# KiCad board noraneko42c.kicad_pcb (continued)
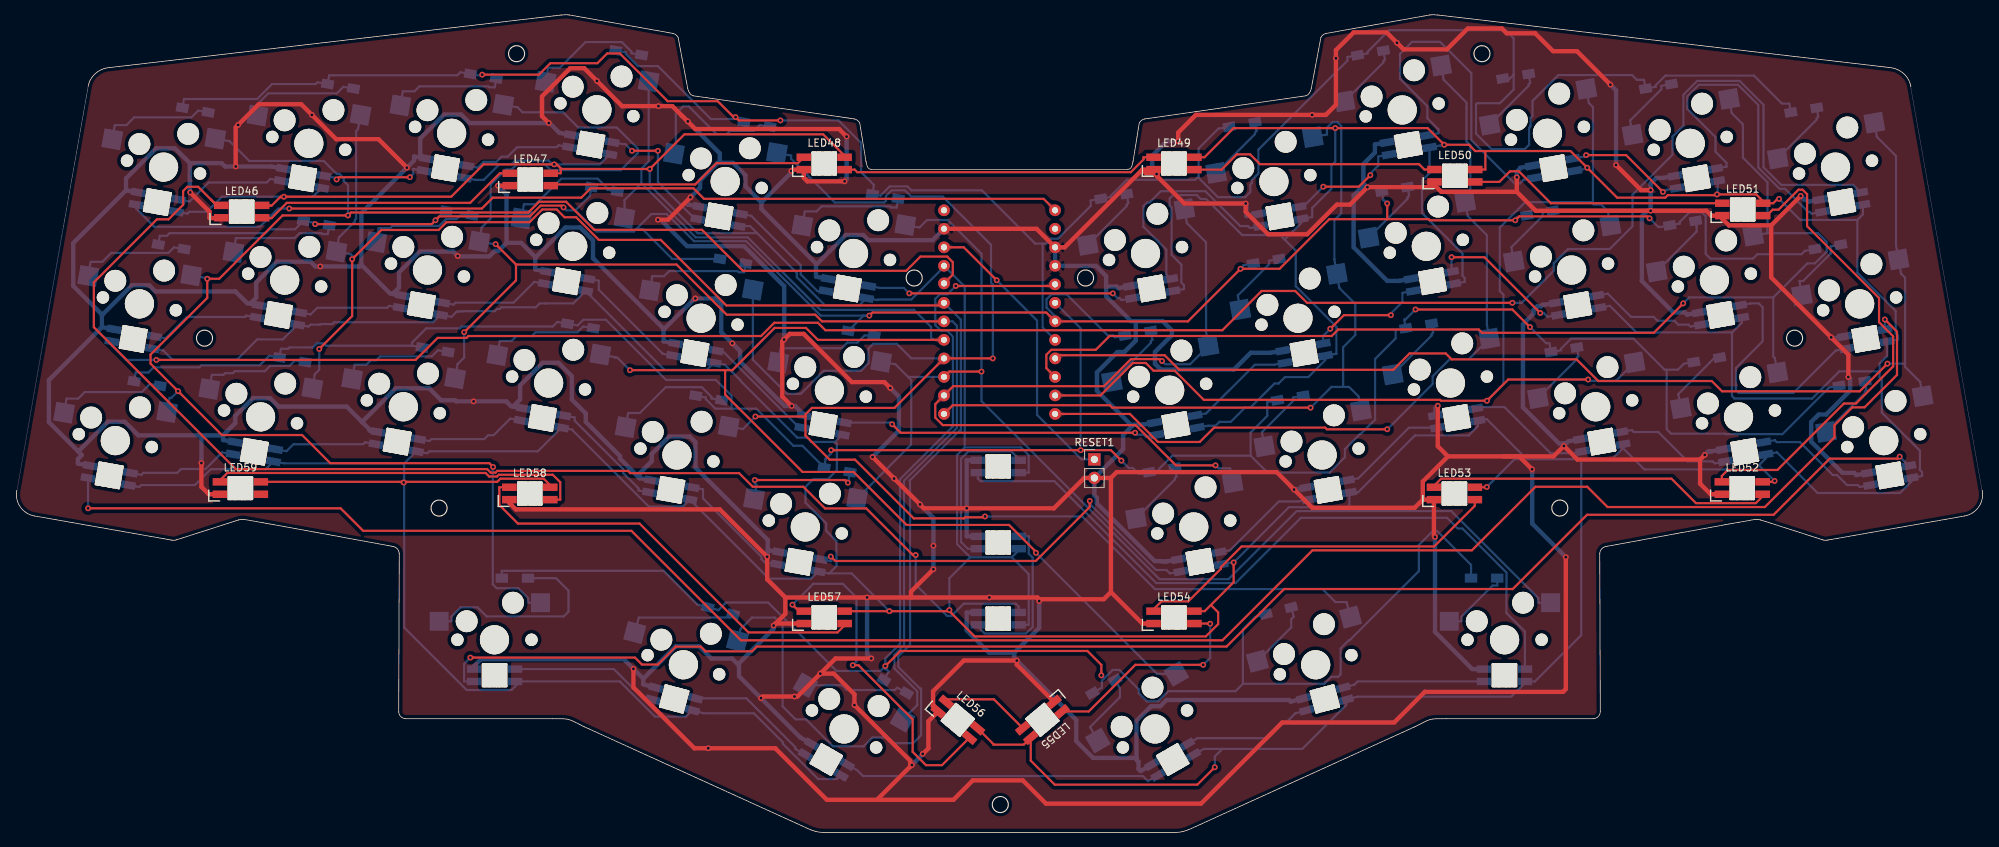
[diagram p0: board, top side]
## Routing (per net, layer and track width the routed paths; a pad name or vN(x,y) marks a point on that pad's centre or on a via; arc(x,y) is an arc through that point) (continued)
Net-(LED26-Pad2): length 14.3
  Bottom w0.3: LED27.4 48.06,53.53 47.79,53.26 38.25,53.26 37.3,52.31 LED26.2
Net-(LED27-Pad2): length 15.4
  Bottom w0.3: LED28.4 67.97,56.77 65.69,54.49 64.94,54.49 64.41,53.96 57.16,53.96 56.9,53.69 LED27.2
Net-(LED28-Pad2): length 16.7
  Bottom w0.3: 75.3,57.2 76.81,56.94 76.81,56.49 83.48,49.82 83.48,49.3 85.58,47.2 85.58,46.91 LED29.4
Net-(LED29-Pad2): length 16.9
  Bottom w0.3: 92.91,47.34 94.42,47.08 94.42,45.83 102.44,37.81 102.44,37.5 102.89,37.04 103.17,37.04 103.17,37.04 LED30.4
Net-(LED30-Pad2): length 58.8
  Top w0.3: v1(147.46,45.48) 147.46,44.65 140.06,37.24 112.54,37.24 v1(111.94,37.85)
  Bottom w0.3: LED30.2 112.01,37.21 112.01,37.78 v1(111.94,37.85) ; LED31.4 158.45,35.53 157.97,36.01 156.53,36.01 147.46,45.08 v1(147.46,45.48)
Net-(LED31-Pad2): length 15.2
  Bottom w0.3: LED32.4 176.04,45.4 173.39,45.4 166.7,38.71 LED31.2
Net-(LED32-Pad2): length 15.3
  Bottom w0.3: LED32.2 184.29,48.58 191.24,55.53 LED33.4
Net-(LED33-Pad2): length 17.4
  Bottom w0.3: LED33.2 201.46,58.37 204.32,58.37 210.66,52.02 213.56,52.02 LED34.4
Net-(LED34-Pad2): length 16.3
  Bottom w0.3: LED35.4 233.16,50.63 232.89,50.9 229.47,50.9 225.43,54.93 222.08,54.93 221.81,55.2 LED34.2
Net-(LED35-Pad2): length 17.4
  Bottom w0.3: LED35.2 241.41,53.81 241.68,53.55 244.85,53.55 249.38,49.02 249.95,49.02 251.31,47.66 252.8,47.66 253.06,47.39 LED36.4
Net-(LED36-Pad2): length 215.6
  Top w0.3: v1(62.51,23.99) 85.09,23.99 86.04,23.03 88.23,23.03 90.69,25.5 94.1,25.5 94.75,24.85 101.13,24.85 101.78,25.5 166.22,25.5 174.12,33.39 205.47,33.39 215.67,43.59 241.25,43.59 248.95,51.28 258.26,51.28 v1(258.54,51.56)
  Bottom w0.3: LED36.2 v1(258.54,51.56) ; LED37.4 61.65,20.71 61.65,23.13 v1(62.51,23.99)
Net-(LED37-Pad2): length 20.5
  Bottom w0.3: LED38.4 85.97,18.63 82.19,22.41 LED37.2
Net-(LED38-Pad2): length 18.3
  Bottom w0.3: LED38.2 100.36,18.4 107.07,11.69 107.07,11.46 LED39.4
Net-(LED39-Pad2): length 43.7
  Bottom w0.3: LED39.2 115.58,8.51 116.36,7.74 154.74,7.74 155.44,7.04 LED40.4
Net-(LED40-Pad2): length 18.1
  Bottom w0.3: LED41.4 175.66,16.34 174.31,15 173.57,15 171.5,12.93 162.24,12.93 LED40.2
Net-(LED41-Pad2): length 19.6
  Bottom w0.3: LED42.4 184.19,20.71 183.75,20.27 LED41.2
Net-(LED42-Pad2): length 100.4
  Bottom w0.3: LED42.2 207.13,27.56 204.61,30.09 204.61,35.66 198.56,41.7 197.92,41.7 196.46,43.17 176.42,43.17 167.46,34.21 156.58,34.21 142.59,48.21 142.17,48.21 142.15,48.19 132.47,48.19 132.11,48.55 LED43.4
Net-(LED43-Pad2): length 22.9
  Bottom w0.3: 137.71,51.27 136.68,52.3 130.84,52.3 129.8,51.26 129.8,39.85 130.73,38.92 LED44.4
Net-(LED44-Pad2): length 22.3
  Bottom w0.3: 132.11,28.23 133.04,27.3 138.73,27.3 139.64,28.2 139.64,37.7 139.09,38.25 139.09,40.62 LED44.2
Net-(LED45-Pad2): length 179.2
  Top w0.3: 26.97,86.79 25.17,88.59 23.69,88.59 23.11,88.01 23.11,86.11 21.12,84.12 19.52,84.12 10.87,75.46 10.87,69.31 30.34,49.85 64.82,49.85 65.31,49.36 65.95,49.36 66.19,49.6 84.14,49.6 84.45,49.29 99.37,49.29 101.24,47.43 108.17,47.43 111.15,44.45 116.81,44.45 123.21,38.06 v1(123.59,38.06) ; 26.97,86.79 27.77,85.99 ; 26.97,86.79 27.72,86.03
  Bottom w0.3: v1(123.59,38.06) 123.59,34.01 127.89,29.71 128.5,29.71 130.18,31.38 137.32,31.38 137.71,30.99 LED45.2
Net-(LED46-Pad2): length 37.7
  Top w0.3: LED47.4 66.55,90.44 62.49,86.38 37.33,86.38 35.24,84.29 35.12,84.29 ; 33.86,84.29 35.12,84.29 ; 35.12,84.29 33.99,84.29
Net-(LED47-Pad2): length 36.1
  Top w0.3: LED48.4 107.43,91.83 96.26,91.83 93.34,88.9 73.7,88.9
Net-(LED48-Pad2): length 43.5
  Top w0.3: LED48.2 115.22,90.94 115.58,90.58 153.08,90.58 154.83,92.32 154.83,92.64 LED49.4
Net-(LED49-Pad2): length 34.7
  Top w0.3: LED49.2 165.54,90.94 167.64,93.03 169.45,93.03 170.8,91.68 192.62,91.68 193.35,90.95 LED50.4
Net-(LED50-Pad2): length 36.3
  Top w0.3: LED51.4 210.69,86.33 206.3,90.71 205.1,90.71 203.64,89.25 LED50.2
Net-(LED51-Pad2): length 66.3
  Top w0.3: LED52.4 234.15,48.91 234.97,49.73 241.77,49.73 250.9,58.85 252.55,58.85 257.64,63.94 257.64,68.07 255.71,70 255.71,73.31 245.84,83.18 245.84,87.57 245.22,88.18 244.67,88.18 241.92,85.44 241.11,85.44 240.3,84.63
Net-(LED52-Pad2): length 47.3
  Top w0.3: 239.75,46.12 238.8,45.18 230.6,45.18 227.24,48.53 195.65,48.53 194.67,47.55
Net-(LED53-Pad2): length 50.9
  Top w0.3: LED53.2 200.27,44.81 194.69,39.24 168.29,39.24 165.45,36.4 165.45,36.18 160.97,31.7 157.29,31.7 156.21,30.61
Net-(LED54-Pad2): length 30.2
  Top w0.3: LED55.4 147.32,16.6 153.72,23 v1(163.02,23) ; v1(163.98,28.64) 163.96,28.66 LED54.2
  Bottom w0.3: v1(163.02,23) 163.98,23.96 v1(163.98,28.64)
Net-(LED55-Pad2): length 12.3
  Top w0.3: LED55.2 134.31,18.26 128.07,18.26 127.77,17.96
Net-(LED56-Pad2): length 47.4
  Top w0.3: v1(114.95,22.94) 115.74,22.94 123.17,15.51 123.17,11.05 124.99,9.23 127.19,9.23 LED56.2 ; 107.57,30.36 v1(106.68,31.25)
  Bottom w0.3: v1(106.68,31.25) 109.54,34.11 113.6,34.11 115.47,32.24 115.47,23.45 v1(114.95,22.94)
Net-(LED57-Pad2): length 58.8
  Top w0.3: LED58.4 66.48,47.36 66.48,44.92 69.03,42.38 85.71,42.38 100.66,27.44 112.86,27.44 113.84,28.42
Net-(LED58-Pad2): length 51.6
  Top w0.3: 28.17,48.31 29.17,49.32 64.6,49.32 65.09,48.83 66.17,48.83 66.41,49.07 73.81,49.07 74.84,48.04 74.84,45.66 LED58.2

## Copper pours and planes (outline as drawn; the poured copper is in the pictures)
GND on Top, Bottom: 260.64,105.65 271.18,43.64 248.35,38.93 238.84,42.21 218.39,38.45 218.15,14.97 194.97,14.97 160.87,-0.64 109.6,-0.64 75.83,15.03 52.12,15.1 51.84,38.45 51.32,38.46 31.07,42.61 22,39.54 -0.85,43.7 10.05,104.88 76.03,112.92 91.55,109.72 93.01,101.6 116.53,98.03 117.63,91.69 152.05,91.65 153.98,98.42 177.23,101.91 179.1,110.2 194.63,112.82
VCC on Bottom: 126.52,76.44 126.66,76.57 126.79,76.66 126.92,76.73 127.03,76.78 127.15,76.81 127.27,76.84 127.39,76.87 127.52,76.9 127.66,76.95 127.82,77.02 127.71,78.05 126.69,77.9 126.66,77.74 126.64,77.6 126.64,77.47 126.63,77.35 126.63,77.24 126.61,77.13 126.57,77.02 126.51,76.9 126.43,76.78 126.31,76.65
VCC on Bottom: 128.71,76.7 128.58,76.84 128.49,76.97 128.43,77.09 128.39,77.21 128.36,77.32 128.34,77.44 128.32,77.56 128.3,77.69 128.27,77.84 128.22,78 127.18,78.02 127.21,76.98 127.37,76.93 127.51,76.9 127.65,76.88 127.77,76.86 127.88,76.85 128,76.82 128.11,76.78 128.23,76.71 128.36,76.62 128.5,76.49
COL0 on Top: 128.49,76.55 128.35,76.43 128.22,76.34 128.1,76.28 127.99,76.23 127.88,76.21 127.76,76.19 127.64,76.18 127.51,76.16 127.37,76.13 127.21,76.08 127.18,75.04 128.22,75.06 128.27,75.22 128.3,75.37 128.32,75.5 128.34,75.62 128.35,75.73 128.38,75.85 128.42,75.96 128.48,76.08 128.57,76.2 128.7,76.34
COL1 on Top: 125.95,72.15 126.16,72.15 126.34,72.12 126.49,72.09 126.62,72.05 126.74,72.01 126.86,71.96 126.99,71.92 127.12,71.89 127.28,71.86 127.47,71.86 127.83,72.83 126.84,73.15 126.75,73.04 126.68,72.93 126.62,72.83 126.56,72.74 126.49,72.66 126.42,72.59 126.33,72.53 126.23,72.49 126.1,72.46 125.95,72.45
COL1 on Bottom: 128.7,71.64 128.57,71.78 128.48,71.9 128.42,72.02 128.38,72.13 128.35,72.25 128.34,72.36 128.32,72.48 128.3,72.61 128.27,72.76 128.22,72.92 127.18,72.94 127.21,71.9 127.37,71.85 127.51,71.82 127.64,71.8 127.76,71.79 127.88,71.77 127.99,71.75 128.1,71.7 128.22,71.64 128.35,71.55 128.49,71.43
COL2 on Top: 125.88,69.97 126.06,69.96 126.22,69.93 126.35,69.89 126.45,69.84 126.55,69.78 126.65,69.71 126.74,69.63 126.85,69.56 126.97,69.48 127.12,69.4 127.87,70.12 127.12,70.84 126.97,70.76 126.85,70.68 126.74,70.6 126.65,70.52 126.55,70.45 126.45,70.39 126.35,70.34 126.22,70.3 126.06,70.28 125.88,70.27
COL2 on Bottom: 129.05,69.92 128.92,70.04 128.81,70.13 128.71,70.21 128.61,70.27 128.43,70.37 128.34,70.43 128.25,70.49 128.15,70.58 128.03,70.68 127.07,70.12 127.82,69.4 127.94,69.46 128.05,69.54 128.25,69.7 128.34,69.77 128.44,69.82 128.53,69.84 128.63,69.84 128.73,69.79 128.84,69.71
COL3 on Top: 125.88,67.43 126.06,67.42 126.22,67.39 126.35,67.35 126.45,67.3 126.55,67.24 126.65,67.17 126.74,67.09 126.85,67.02 126.97,66.94 127.12,66.86 127.87,67.58 127.12,68.3 126.97,68.22 126.85,68.14 126.74,68.06 126.65,67.98 126.55,67.91 126.45,67.85 126.35,67.8 126.22,67.76 126.06,67.74 125.88,67.73
COL3 on Bottom: 125.81,67.59 125.94,67.48 126.06,67.4 126.17,67.35 126.27,67.31 126.38,67.28 126.48,67.25 126.58,67.22 126.68,67.18 126.79,67.11 126.9,67.01 127.87,67.58 127.12,68.3 126.98,68.22 126.86,68.12 126.75,68.01 126.65,67.9 126.55,67.8 126.46,67.73 126.36,67.68 126.26,67.67 126.14,67.71 126.02,67.8
COL4 on Top: 126.45,63.81 126.59,63.93 126.71,64.02 126.83,64.08 126.95,64.13 127.06,64.15 127.17,64.17 127.3,64.18 127.43,64.2 127.57,64.23 127.73,64.28 127.75,65.32 126.71,65.3 126.66,65.14 126.63,64.99 126.61,64.86 126.6,64.74 126.58,64.63 126.56,64.51 126.52,64.4 126.45,64.28 126.36,64.16 126.24,64.02
COL4 on Top: 129.06,65.19 128.87,65.2 128.72,65.22 128.59,65.26 128.48,65.31 128.38,65.37 128.29,65.44 128.19,65.52 128.09,65.6 127.96,65.68 127.82,65.76 127.07,65.04 127.82,64.32 127.96,64.4 128.09,64.48 128.19,64.55 128.29,64.63 128.38,64.7 128.48,64.76 128.59,64.81 128.72,64.85 128.87,64.88 129.06,64.89
COL4 on Bottom: 125.88,64.89 126.06,64.88 126.22,64.85 126.35,64.81 126.45,64.76 126.55,64.7 126.65,64.63 126.74,64.55 126.85,64.48 126.97,64.4 127.12,64.32 127.87,65.04 127.12,65.76 126.97,65.68 126.85,65.6 126.74,65.52 126.65,65.44 126.55,65.37 126.45,65.31 126.35,65.26 126.22,65.22 126.06,65.2 125.88,65.19
COL5 on Top: 128.76,63.38 128.58,63.38 128.43,63.37 128.3,63.36 128.19,63.35 127.98,63.33 127.88,63.31 127.76,63.31 127.62,63.3 127.47,63.3 127.18,62.21 128.22,62.23 128.26,62.36 128.29,62.48 128.31,62.6 128.33,62.71 128.36,62.81 128.4,62.9 128.45,62.98 128.53,63.03 128.63,63.07 128.76,63.08
COL5 on Bottom: 125.88,62.35 126.06,62.34 126.22,62.31 126.35,62.27 126.45,62.22 126.55,62.16 126.65,62.09 126.74,62.01 126.85,61.94 126.97,61.86 127.12,61.78 127.87,62.5 127.12,63.22 126.97,63.14 126.85,63.06 126.74,62.98 126.65,62.9 126.55,62.83 126.45,62.77 126.35,62.72 126.22,62.68 126.06,62.66 125.88,62.65
COL6 on Top: 128.49,61.19 128.35,61.06 128.22,60.97 128.1,60.91 127.99,60.87 127.88,60.84 127.76,60.83 127.64,60.81 127.51,60.79 127.37,60.76 127.21,60.71 127.18,59.67 128.22,59.69 128.27,59.85 128.3,60 128.32,60.13 128.34,60.25 128.35,60.37 128.38,60.48 128.42,60.59 128.48,60.71 128.57,60.84 128.7,60.97
COL6 on Top: 126.45,58.73 126.59,58.85 126.71,58.94 126.83,59 126.95,59.05 127.06,59.07 127.17,59.09 127.3,59.1 127.43,59.12 127.57,59.15 127.73,59.2 127.75,60.24 126.71,60.22 126.66,60.06 126.63,59.91 126.61,59.78 126.6,59.66 126.58,59.55 126.56,59.43 126.52,59.32 126.45,59.2 126.36,59.08 126.24,58.94
COL7 on Top: 128.49,58.65 128.35,58.52 128.22,58.43 128.1,58.37 127.99,58.33 127.88,58.3 127.76,58.29 127.64,58.27 127.51,58.25 127.37,58.22 127.21,58.17 127.18,57.13 128.22,57.15 128.27,57.31 128.3,57.46 128.32,57.59 128.34,57.71 128.35,57.83 128.38,57.94 128.42,58.05 128.48,58.17 128.57,58.3 128.7,58.43
COL8 on Top: 144.3,57.57 144.11,57.58 143.96,57.6 143.83,57.64 143.72,57.69 143.62,57.75 143.53,57.82 143.43,57.9 143.33,57.98 143.2,58.06 143.06,58.14 142.31,57.42 143.06,56.7 143.2,56.78 143.33,56.86 143.43,56.93 143.53,57.01 143.62,57.08 143.72,57.14 143.83,57.19 143.96,57.23 144.11,57.26 144.3,57.27
COL9 on Top: 144.3,60.11 144.11,60.12 143.96,60.14 143.83,60.18 143.72,60.23 143.62,60.29 143.53,60.36 143.43,60.44 143.33,60.52 143.2,60.6 143.06,60.68 142.31,59.96 143.06,59.24 143.2,59.32 143.33,59.4 143.43,59.47 143.53,59.55 143.62,59.62 143.72,59.68 143.83,59.73 143.96,59.77 144.11,59.8 144.3,59.81
COL10 on Top: 141.48,63.51 141.6,63.38 141.69,63.25 141.76,63.13 141.8,63.02 141.82,62.91 141.84,62.79 141.85,62.67 141.87,62.54 141.9,62.39 141.95,62.23 142.99,62.21 142.97,63.25 142.81,63.3 142.67,63.33 142.54,63.35 142.41,63.37 142.3,63.38 142.19,63.41 142.07,63.45 141.95,63.51 141.83,63.6 141.69,63.73
COL11 on Top: 144.19,65.62 143.98,65.63 143.81,65.64 143.66,65.67 143.53,65.7 143.3,65.76 143.18,65.79 143.04,65.81 142.89,65.83 142.71,65.84 142.37,64.82 143.39,64.62 143.46,64.73 143.57,64.94 143.62,65.03 143.68,65.12 143.75,65.19 143.83,65.24 143.93,65.28 144.04,65.31 144.19,65.32
LED on Top: 141.48,86.37 141.6,86.24 141.69,86.11 141.76,85.99 141.8,85.88 141.82,85.77 141.84,85.65 141.85,85.53 141.87,85.4 141.9,85.25 141.95,85.09 142.99,85.07 142.97,86.11 142.81,86.16 142.67,86.19 142.54,86.21 142.41,86.23 142.3,86.24 142.19,86.27 142.07,86.31 141.95,86.37 141.83,86.46 141.69,86.59
reset on Top: 129.06,80.43 128.87,80.44 128.72,80.46 128.59,80.5 128.48,80.55 128.38,80.61 128.29,80.68 128.19,80.76 128.09,80.84 127.96,80.92 127.82,81 127.07,80.28 127.82,79.56 127.96,79.64 128.09,79.72 128.19,79.79 128.29,79.87 128.38,79.94 128.48,80 128.59,80.05 128.72,80.09 128.87,80.12 129.06,80.13
reset on Bottom: 146.4,51.03 146.6,51.02 146.76,50.99 146.9,50.95 147.02,50.89 147.12,50.82 147.22,50.75 147.32,50.67 147.43,50.58 147.57,50.5 147.72,50.41 148.52,51.18 147.72,51.94 147.57,51.86 147.43,51.77 147.32,51.69 147.22,51.61 147.12,51.53 147.02,51.46 146.9,51.41 146.76,51.36 146.6,51.34 146.4,51.33
ROW0 on Bottom: 141.48,68.59 141.6,68.46 141.69,68.33 141.76,68.21 141.8,68.1 141.82,67.99 141.84,67.87 141.85,67.75 141.87,67.62 141.9,67.47 141.95,67.31 142.99,67.29 142.97,68.33 142.81,68.38 142.67,68.41 142.54,68.43 142.41,68.45 142.3,68.46 142.19,68.49 142.07,68.53 141.95,68.59 141.83,68.68 141.69,68.81
ROW1 on Top: 141.48,71.13 141.6,71 141.69,70.87 141.76,70.75 141.8,70.64 141.82,70.53 141.84,70.41 141.85,70.29 141.87,70.16 141.9,70.01 141.95,69.85 142.99,69.83 142.97,70.87 142.81,70.92 142.67,70.95 142.54,70.97 142.41,70.99 142.3,71 142.19,71.03 142.07,71.07 141.95,71.13 141.83,71.22 141.69,71.35
ROW1 on Top: 144.3,70.27 144.11,70.28 143.96,70.3 143.83,70.34 143.72,70.39 143.62,70.45 143.53,70.52 143.43,70.6 143.33,70.68 143.2,70.76 143.06,70.84 142.31,70.12 143.06,69.4 143.2,69.48 143.33,69.56 143.43,69.63 143.53,69.71 143.62,69.78 143.72,69.84 143.83,69.89 143.96,69.93 144.11,69.96 144.3,69.97
ROW1 on Bottom: 141.94,71.38 142.03,71.28 142.09,71.18 142.13,71.09 142.14,70.99 142.13,70.9 142.11,70.81 142.08,70.71 142.04,70.61 142,70.5 141.95,70.38 142.75,69.72 143.27,70.68 143.15,70.8 143.03,70.9 142.93,70.98 142.83,71.05 142.64,71.18 142.54,71.25 142.43,71.34 142.3,71.45 142.16,71.59
ROW2 on Bottom: 143.94,71.64 143.81,71.78 143.72,71.9 143.66,72.02 143.62,72.13 143.59,72.25 143.58,72.36 143.56,72.48 143.54,72.61 143.51,72.76 143.46,72.92 142.42,72.94 142.45,71.9 142.61,71.85 142.75,71.82 142.88,71.8 143,71.79 143.12,71.77 143.23,71.75 143.34,71.7 143.46,71.64 143.59,71.55 143.73,71.43
ROW3 on Top: 141.14,74.83 141.34,74.82 141.51,74.79 141.65,74.76 141.78,74.71 141.89,74.66 142,74.6 142.12,74.55 142.25,74.49 142.39,74.45 142.57,74.41 143.09,75.31 142.17,75.79 142.06,75.69 141.97,75.58 141.89,75.49 141.81,75.4 141.74,75.32 141.65,75.26 141.56,75.2 141.44,75.16 141.3,75.13 141.14,75.13

Small or netless copper shapes (teardrops, artwork), in the pictures only: 109 on Top, 98 on Bottom

## Text on the board
B.Silkscreen: Noraneko42C v1.0 / Designed by Daraku-Neko 2022
